# Altium PCB CC_V1.4.PcbDoc (part 4 of 8) (continued)
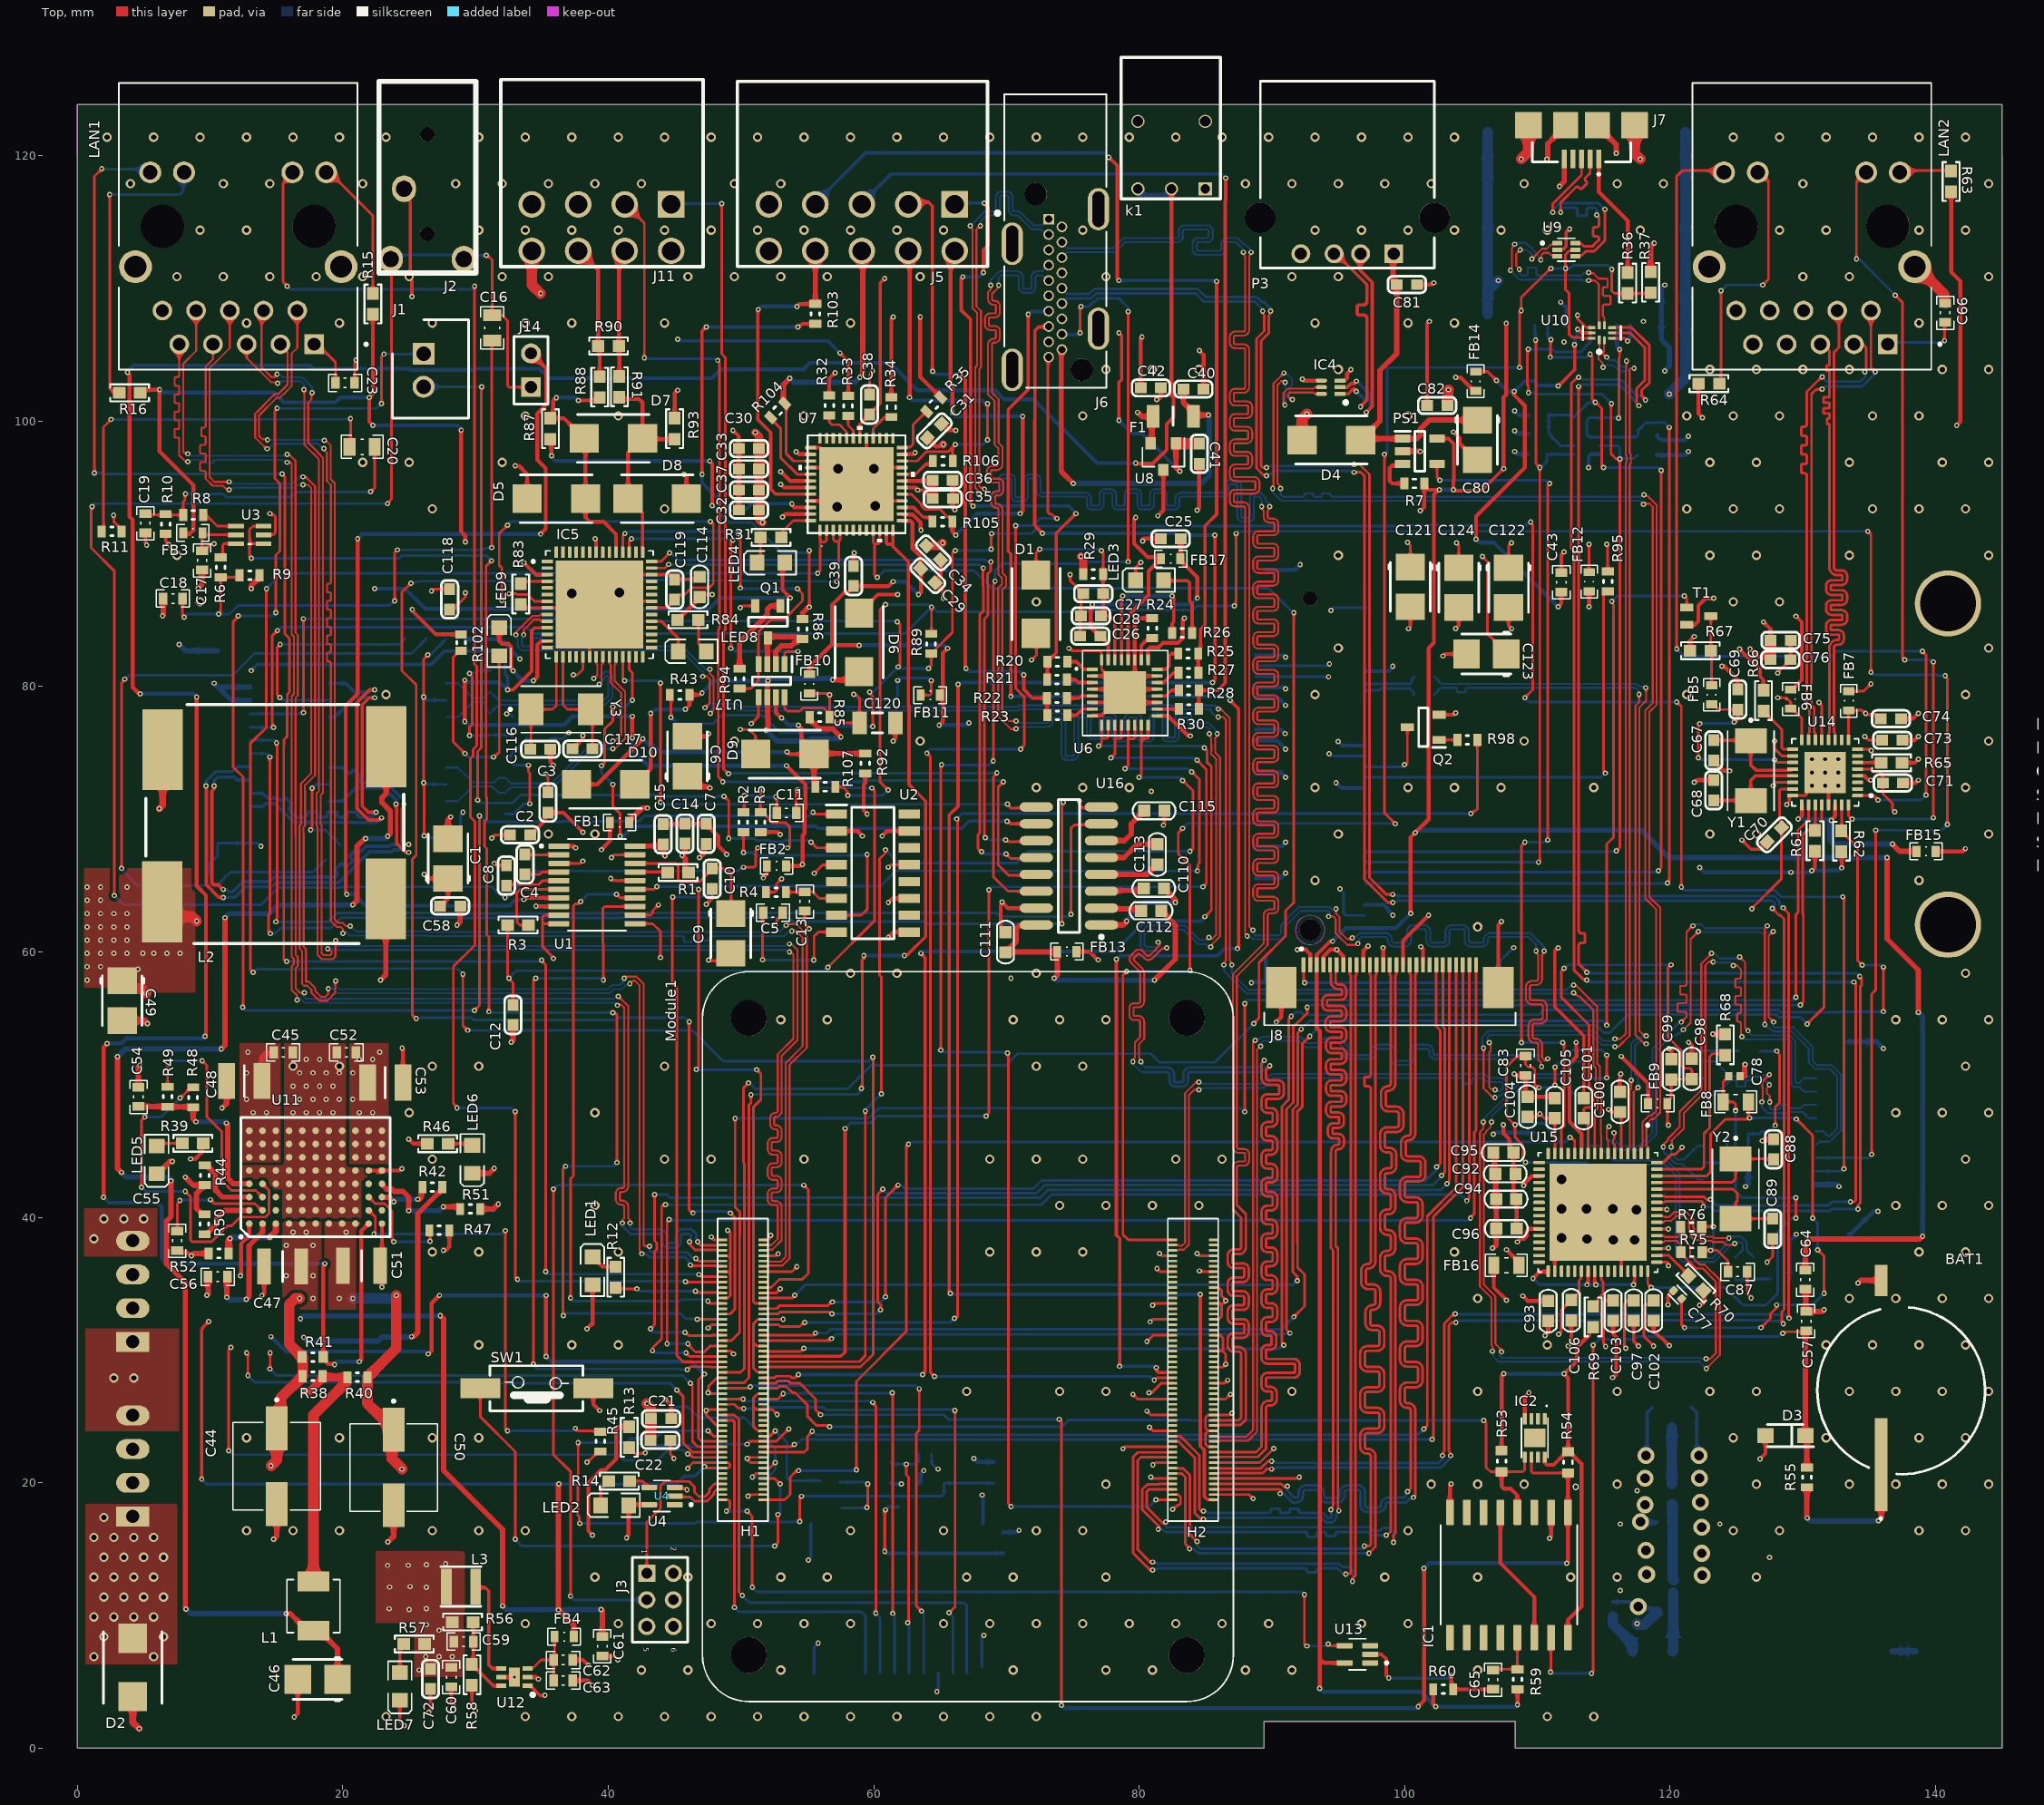
[diagram p0: Top view]
## Nets (pads, with @x,y where several pads share a name; then routed paths per layer and width w, separated by ;. In a path a pad name is that pad's centre, name@x,y a point inside that pad or via, vN(x,y) a via of type N, cw(c..) or ccw(c..) an arc to the next point about the centre after c; other vN are vias at no path point) (continued)
  Top w0.8: v1(42.9,25.975) 43.169,25.706 43.169,24.832 43.175,24.825 C21.1@43.213,24.825 43.213,23.25 C22.1@43.163,23.2 ; D4.2@92.275,98.575 92.275,100.181 v1(92.622,100.528) ; C82.2@103.207,101.177 103.246,101.177 103.252,101.184 103.252,102.312 v1(103.296,102.355) ; C80.2@105.233,96.815 105.482,97.064 C80.2@105.475,97.071 ; v1(108.777,119.748) 109.32,120.291 J7.S@109.32,122.298 ; J7.S@117.32,122.298 117.32,120.171 v1(117.743,119.748) ; C76.2@127.538,82.025 127.556,82.025 127.563,82.031 C75.2@127.563,83.475 ; LAN2.S1@138.422,111.76 140.662,109.52 140.662,108.935 C66.1@140.712,108.885
  Bottom w0.2: C107.1@9.979,65.875 9.979,66.679 10.557,67.257 J10.S2@10.557,68.199 13.593,68.199 v1(13.838,67.954) ; C90.1@28.854,68.6 28.854,70.329 v1(29.05,70.525) ; v1(32.336,77.949) 32.576,77.949 C108.1@32.8,77.725 ; C109.1@35.629,76.05 36.55,76.05 v1(37.018,76.517) ; U5.2@64.35,22.175 64.35,21.447 64.575,21.223 64.598,21.223 64.796,21.025 v1(64.85,21.025) ; v1@127.284,36.609 v1(127.3,36.625)
  Bottom w0.25: v1(55.063,14.16) 55.27,14.367 J4.P3@55.27,16.915 ; J4.P1@55.49,5.665 55.49,7.6 v1(55.808,7.918) ; C24.2@61.275,20 61.375,19.9 v1(62.078,19.9) ; v1(64.758,4.25) 64.87,4.362 J4.6@64.87,5.65 ; J4.P2@68.15,6.15 68.15,8.363 v1(68.288,8.5) ; v1(68.15,19.074) 68.23,18.994 J4.P4@68.23,16.915
  Bottom w0.254: L4.1@115.675,11.025 116.981,11.025 117.331,10.675 v3(117.606,10.675) 117.756,10.525 L5.1@118.877,10.525 ; v3(117.769,17.05) L6.1@119.025,17.05 118.919,16.944 v3@118.269,16.944 ; v3(118.16,22.05) 118.252,22.142 118.252,25.277 J13.2@118.65,25.675 ; J13.1@121.6,25.675 121.998,25.277 121.998,22.236 v3(122.184,22.05)
  Bottom w0.3: C91.1@29.204,83.55 31.919,83.55 32.621,82.848 32.621,82.789 v1(33.342,82.068) ; v1(88.447,57.686) 88.486,57.725 89.358,57.725 89.533,57.901 89.533,59.472 J12.M1@89.505,59.5 ; J12.9@88.775,65.55 90.633,65.55 v1(91.033,65.95) ; J12.15@88.775,67.95 90.708,67.95 v1(91.033,68.275) ; J12.21@88.775,73.55 90.633,73.55 v1(91.033,73.15) ; J12.27@88.775,75.95 90.358,75.95 v1(91.033,75.275) ; J12.29@88.775,76.75 90.701,76.75 v1(91,76.451) ; J12.35@88.775,79.15 90.458,79.15 v1(91.033,78.575) ; J12.37@88.775,79.95 90.906,79.95 v1(91.033,79.823) ; J12.43@88.775,82.35 90.875,82.35 v1(91.025,82.2) ; J12.M2@89.505,88.8 91.759,88.8 v1(92.13,89.171) ; v1(94.83,72.75) 95.23,72.35 J12.18@96.975,72.35 ; v1(94.987,75.85) 95.287,75.55 J12.26@96.975,75.55 ; J12.4@96.975,63.55 98.426,63.55 98.723,63.253 98.723,63.156 v1(99.105,62.773) ; J12.40@96.975,81.15 98.795,81.15 99.1,81.455 v1(99.1,81.537) ; v1(106.665,46.262) 106.778,46.375 C84.1@109.7,46.375 ; v1(108.28,97.709) 108.489,97.5 C126.1@109.25,97.5 ; v1(108.28,99.275) 108.505,99.05 C128.1@109.275,99.05 C128.1@109.287,99.062 ; v1(108.28,100.76) 108.59,100.45 R100.1@109.3,100.45 R100.1@109.287,100.438 ; v1(111.75,108.955) 112.175,108.53 SIM1.C4@112.175,107.208 ; v1(113.85,96.5) 113.85,97.324 114.026,97.5 U18.3@114.675,97.5 ; v1(116.8,106.04) 116.8,106.067 116.975,106.241 SIM1.C5@116.975,107.208 ; C127.1@119,97.425 121.156,97.425 121.37,97.639 v1(121.37,97.709) ; C125.1@119.025,98.95 119.025,98.825 119.2,98.65 119.325,98.65 119.41,98.565 121.093,98.565 v1(121.37,98.842) ; C86.1@128.988,35.342 128.988,38.201 v1(129.513,38.726) ; J9.S1@133.444,38.726 133.594,38.726 135.329,40.461 v1(135.658,40.461)
  Bottom w0.4: v1(7.678,83.175) 8.153,82.699 J10.S1@10.557,82.699 ; v1(10.3,80.245) 10.596,79.949 ; J10.2@13.007,78.949 11.596,78.949 10.596,79.949 ; J10.1@13.007,79.949 10.596,79.949 ; L5.1@119.025,10.275 L5.1@119.125,10.375 ; v1(119.581,103.782) 119.931,104.132 119.931,105.538 119.34,106.129 119.34,110.008 v1(119.581,110.25) ; v1(125.677,42.315) 125.875,42.514 C85.1@125.875,43.375 ; J9.2@130.994,42.476 132.559,42.476 v1(132.72,42.315) ; J9.S2@133.444,53.226 135.545,53.226 v1(136.06,52.711)
  Bottom w0.8: SIM1.1@106.253,108.087 SIM1.1@106.253,116.437 SIM1.1@106.253,121.765 ; 106.353,109.906 v1(107.04,110.592) ; v1(117.496,9.388) 117.583,9.301 118.051,9.301 L5.1@119.025,10.275 ; v1(119.931,102.035) 121.156,103.259 SIM1.1@121.156,108.087 ; SIM1.1@121.107,108.039 SIM1.1@121.156,108.087 ; SIM1.1@121.156,121.765 SIM1.1@121.156,116.437 SIM1.1@121.156,108.087
  other v1: 116.246,11.888 127.496,14.388 116.246,16.888 123.746,16.888 117.496,19.388 16.246,47.888 17.246,47.888 18.246,47.888 19.246,47.888 16.746,48.888 17.746,48.888 18.746,48.888 19.746,48.888 16.246,49.888 17.246,49.888 18.246,49.888 19.246,49.888 16.746,50.888 17.746,50.888 18.746,50.888 19.746,50.888 17.246,51.888 18.246,51.888 70.33,58.02 80.898,72.091 112.008,105.962 117.975,107.513
  other v2: 23.246,2.388 33.746,2.388 37.246,2.388 40.746,2.388 44.246,2.388 47.746,2.388 51.246,2.388 54.746,2.388 58.246,2.388 61.746,2.388 65.246,2.388 68.746,2.388 72.246,2.388 110.746,2.388 114.246,2.388 42.496,5.888 45.996,5.888 52.996,5.888 70.496,5.888 77.496,5.888 80.996,5.888 87.996,5.888 91.496,5.888 105.496,5.888 33.746,9.388 40.746,9.388 47.746,9.388 51.246,9.388 54.746,9.388 58.246,9.388 65.246,9.388 68.746,9.388 72.246,9.388 75.746,9.388 79.246,9.388 82.746,9.388 86.246,9.388 89.746,9.388 96.746,9.388 100.246,9.388 38.996,12.888 45.996,12.888 52.996,12.888 56.496,12.888 66.996,12.888 70.496,12.888 77.496,12.888 98.496,12.888 105.496,12.888 112.496,12.888 115.996,12.888 126.496,12.888 12.746,16.388 16.246,16.388 19.746,16.388 26.746,16.388 30.246,16.388 33.746,16.388 58.246,16.388 65.246,16.388 72.246,16.388 75.746,16.388 100.246,16.388 124.746,16.388 128.246,16.388 138.746,16.388 142.246,16.388 77.496,19.888 101.996,19.888 105.496,19.888 108.996,19.888 115.996,19.888 126.496,19.888 133.496,19.888 136.996,19.888 140.496,19.888 143.996,19.888 12.746,23.388 19.746,23.388 26.746,23.388 30.246,23.388 124.746,23.388 131.746,23.388 138.746,23.388 142.246,23.388 66.996,26.888 73.996,26.888 77.496,26.888 91.496,26.888 105.496,26.888 115.996,26.888 122.996,26.888 126.496,26.888 133.496,26.888 136.996,26.888 140.496,26.888 143.996,26.888 30.246,30.388 37.246,30.388 40.746,30.388 110.746,30.388 131.746,30.388 135.246,30.388 138.746,30.388 142.246,30.388 105.496,33.888 133.496,33.888 136.996,33.888 140.496,33.888 143.996,33.888 26.746,37.388 30.246,37.388 40.746,37.388 68.746,37.388 72.246,37.388 75.746,37.388 103.746,37.388 138.746,37.388 142.246,37.388 38.996,40.888 73.996,40.888 77.496,40.888 80.996,40.888 84.496,40.888 136.996,40.888 140.496,40.888 143.996,40.888 26.746,44.388 44.246,44.388 47.746,44.388 54.746,44.388 68.746,44.388 72.246,44.388 75.746,44.388 82.746,44.388 86.246,44.388 142.246,44.388 24.996,47.888 38.996,47.888 136.996,47.888 140.496,47.888 143.996,47.888 16.246,51.388 19.746,51.388 26.746,51.388 30.246,51.388 44.246,51.388 72.246,51.388 75.746,51.388 142.246,51.388 52.996,54.888 56.496,54.888 70.496,54.888 73.996,54.888 77.496,54.888 136.996,54.888 140.496,54.888 143.996,54.888 58.246,58.388 61.746,58.388 72.246,58.388 142.246,58.388 105.496,61.888 93.246,65.388 138.746,65.388 35.496,68.888 38.996,68.888 94.996,68.888 122.996,68.888 126.496,68.888 143.996,68.888 72.246,72.388 75.746,72.388 79.246,72.388 93.246,72.388 100.246,72.388 103.746,72.388 107.246,72.388 114.246,72.388 142.246,72.388 49.496,75.888 63.496,75.888 108.996,75.888 143.996,75.888 23.246,79.388 93.246,79.388 121.246,79.388 142.246,79.388 94.996,82.888 143.996,82.888 9.246,86.388 72.246,86.388 124.746,86.388 128.246,86.388 7.496,89.888 94.996,89.888 122.996,89.888 126.496,89.888 133.496,89.888 143.996,89.888 26.746,93.388 44.246,93.388 121.246,93.388 124.746,93.388 128.246,93.388 135.246,93.388 138.746,93.388 142.246,93.388 21.496,96.888 24.996,96.888 31.996,96.888 122.996,96.888 126.496,96.888 133.496,96.888 140.496,96.888 143.996,96.888 33.746,100.388 40.746,100.388 54.746,100.388 75.746,100.388 100.246,100.388 121.246,100.388 124.746,100.388 128.246,100.388 135.246,100.388 138.746,100.388 77.496,103.888 80.996,103.888 84.496,103.888 94.996,103.888 122.996,103.888 126.496,103.888 129.996,103.888 133.496,103.888 140.496,103.888 143.996,103.888 12.746,107.388 19.746,107.388 26.746,107.388 33.746,107.388 37.246,107.388 44.246,107.388 58.246,107.388 93.246,107.388 100.246,107.388 103.746,107.388 138.746,107.388 7.496,110.888 10.996,110.888 14.496,110.888 17.996,110.888 21.496,110.888 24.996,110.888 31.996,110.888 35.496,110.888 45.996,110.888 49.496,110.888 52.996,110.888 56.496,110.888 63.496,110.888 77.496,110.888 91.496,110.888 94.996,110.888 129.996,110.888 133.496,110.888 143.996,110.888 9.246,114.388 12.746,114.388 30.246,114.388 33.746,114.388 37.246,114.388 40.746,114.388 44.246,114.388 47.746,114.388 51.246,114.388 54.746,114.388 58.246,114.388 61.746,114.388 65.246,114.388 75.746,114.388 93.246,114.388 96.746,114.388 100.246,114.388 103.746,114.388 107.246,114.388 110.746,114.388 117.746,114.388 128.246,114.388 131.746,114.388 138.746,114.388 142.246,114.388 3.996,117.888 10.996,117.888 14.496,117.888 21.496,117.888 28.496,117.888 31.996,117.888 35.496,117.888 38.996,117.888 42.496,117.888 49.496,117.888 52.996,117.888 87.996,117.888 91.496,117.888 94.996,117.888 98.496,117.888 101.996,117.888 108.996,117.888 115.996,117.888 119.496,117.888 129.996,117.888 143.996,117.888 2.246,121.388 5.746,121.388 9.246,121.388 12.746,121.388 16.246,121.388 19.746,121.388 23.246,121.388 30.246,121.388 33.746,121.388 37.246,121.388 40.746,121.388 44.246,121.388 47.746,121.388 51.246,121.388 54.746,121.388 58.246,121.388 61.746,121.388 65.246,121.388 68.746,121.388 72.246,121.388 75.746,121.388 79.246,121.388 82.746,121.388 86.246,121.388 89.746,121.388 93.246,121.388 96.746,121.388 100.246,121.388 103.746,121.388 124.746,121.388 128.246,121.388 131.746,121.388 135.246,121.388 138.746,121.388 142.246,121.388
  other v3: 122.4,13.023 118.227,13.106 122.385,14.684 118.16,14.907 122.366,16.65 118.11,18.339 122.267,18.533 118.11,20.328 122.205,20.328 117.31,38.3 113.725,38.363 111.815,38.444 117.456,40.571 111.815,40.627 113.696,40.625 115.67,40.625 111.815,42.847 57.25,93.55 60.1,93.6 57.3,96.4 60,96.4
GPIO4: Module1.54 U6.9 U6.10 | length 91
  Top w0.2: Module1.54@51.664,27.92 52.546,27.92 52.656,28.029 53.694,28.029 53.804,27.92 54.082,27.92 v1@54.254,28.092 ; v1(76.95,75.525) 77.162,75.737 77.162,76.188 ; U6.9@77.162,77.091 77.162,76.188 ; U6.10@77.662,77.091 77.662,76.212 77.525,76.075 77.275,76.075 77.162,76.188 ; v1(84.9,75.375) 85.1,75.175 85.1,74.3 85.375,74.025 ; v1(84.95,62.65) 85.436,63.136 85.436,73.964
  Top w0.254: v1(63.55,59.882) 63.876,59.556 63.876,28.392 63.678,28.194 v1(63.678,28.143)
  Bottom w0.2: v1(76.95,75.525) 84.75,75.525 v1(84.9,75.375)
  Bottom w0.254: v1(54.331,28.143) v1(63.678,28.143) ; v1(63.55,59.882) 63.55,60.025 78.149,60.025 80.451,62.327 83.61,62.327 83.637,62.3 84.625,62.3 84.975,62.65 v1(84.95,62.65)
GPIO14: Module1.55 U7.11 U7.12 | length 80.7
  Top w0.2: Module1.55@48.584,27.52 50.211,27.52 50.597,27.906 50.597,38.359 50.599,38.361 50.599,48.469 50.749,48.619 v1(50.749,49.225) ; v1(59.08,49.708) 59.131,49.759 59.131,58.572
  Top w0.25: 59.131,58.572 59.131,59.379 59.253,59.501 v1(59.253,59.728) v1@59.228,59.703 ; U7.11@60.951,91.789 60.951,90.824 61.05,90.725 61.375,90.725 61.451,90.801 ; U7.12@61.451,91.789 61.451,90.801 ; v1(62.3,59.725) 62.475,59.725 63.9,61.15 63.9,71.369 62.654,72.615 62.654,78.532 62.6,78.586 62.6,89.4 61.451,90.549 61.451,90.801
  Bottom w0.2: v1(50.749,49.225) 50.749,49.276 58.776,49.276 59.08,49.581 v1(59.08,49.708)
  Bottom w0.25: v1(59.253,59.728) 59.256,59.725 v1(62.3,59.725)
GPIO15: Module1.51 U7.9 U7.10 | length 134.6
  Top w0.2: Module1.51@48.584,28.32 49.961,28.32 50.241,28.601 50.241,38.498 50.249,38.506 50.249,44.078 50.195,44.132 50.195,49.758 v1(50.571,50.134) ; U7.9@59.951,91.789 59.951,90.874 60.075,90.75 ; v1(60.275,88.217) 60.221,88.217 60.088,88.35 60.075,88.35 60.075,90.75 ; U7.10@60.451,91.789 60.451,90.851 60.35,90.75 60.075,90.75 ; v1(88.625,54.6) 89.025,55 89.025,59.2 91.025,61.2 91.025,63.1 91.65,63.725 v1(91.65,85.55) v1@91.65,85.575
  Bottom w0.2: v1(50.571,50.134) 50.624,50.134 51.075,49.682 58.039,49.682 58.395,50.038 59.807,51.45 69.95,51.45 70.825,52.325 80.875,52.325 81.525,51.675 85.7,51.675 v1(88.625,54.6) ; v1(60.275,88.217) 60.796,88.737 67.554,88.737 68.908,87.384 69.367,87.384 69.378,87.394 89.756,87.394 91.625,85.525 v1(91.65,85.55)
GPIO16: Module1.29 U7.3 U7.4 | length 118.1
  Top w0.2: v1(25.136,87.786) 24.459,87.109 24.459,81.191 25.529,80.121 25.529,79.422 ; v1(25.526,54.978) 25.497,54.978 25.225,55.25 25.225,66.967 25.529,67.271 25.529,72.515 ; 25.529,72.516 25.529,72.974 ; 25.529,78.963 25.529,79.422 ; 25.529,72.975 25.529,78.963 ; v1(46.1,54.725) 46.071,54.696 46.071,40.579 46.323,40.327 v1(46.377,40.327) ; Module1.29@48.591,32.71 49.17,32.71 49.541,33.082 49.541,38.788 49.549,38.796 49.549,39.966 49.202,40.313 v1(49.202,40.327) ; U7.3@56.951,91.789 56.951,91.074 57.1,90.925 57.35,90.925 ; v1(57.225,87.9) 57.2,87.875 57.35,88.025 57.35,90.925 ; U7.4@57.451,91.789 57.451,91.026 57.35,90.925
  Bottom w0.2: v1(25.136,87.786) 25.734,87.904 37.254,87.993 cw(c37.263,87.004) 37.3,87.992 39.796,87.9 39.883,87.9 40.637,88.046 cw(c40.825,87.075) 40.835,88.064 v1(57.225,87.9) ; v1(25.526,54.978) 25.526,55.001 25.575,55.05 29.692,55.05 29.868,54.874 40.581,54.874 40.758,55.05 45.775,55.05 v1(46.1,54.725) ; v1(46.377,40.327) 46.425,40.375 46.425,40.45 49.079,40.45 v1(49.202,40.327)
GPIO17: Module1.50 U7.1 U7.2 | length 159.4
  Top w0.2: v1(13.25,58.45) 13.025,58.675 13.025,75.7 14.229,76.904 14.229,78.041 14.243,78.056 14.243,87.368 v1(14.25,87.375) ; v1(29.05,58.325) 29.05,54.45 v1(29.4,54.1) ; Module1.50@51.664,28.72 59.009,28.72 59.944,29.655 v1@59.944,52.075 ; v1(55.775,88.525) 55.951,88.701 55.951,91.024 ; U7.1@55.951,91.789 55.951,91.024 ; U7.2@56.45,91.788 56.45,91.025 56.3,90.875 56.1,90.875 55.951,91.024
  Bottom w0.2: v1(13.25,58.45) 13.504,58.704 17.179,58.704 17.225,58.75 28.625,58.75 v1(29.05,58.325) ; v1(14.25,87.375) 15.4,88.525 v1(55.775,88.525) ; v1(29.4,54.1) 46.325,54.1 48.675,51.75 59.6,51.75 v1(59.925,52.075)
GPIO22: Module1.46 U6.11 U6.12 | length 88.1
  Top w0.2: v1(68.475,47.625) 68.675,47.825 v1(68.675,64.675) ; v1(77.875,74.625) 78.162,74.912 78.162,76.138 ; U6.11@78.162,77.091 78.162,76.138 ; U6.12@78.662,77.091 78.662,76.162 78.575,76.075 78.225,76.075 78.162,76.138 ; v1(84.35,74.45) 85.059,73.741 85.059,65.159 v1(84.8,64.9)
  Top w0.25: Module1.46@51.664,29.524 57.515,29.524 57.836,29.845 v1(57.836,46.685)
  Bottom w0.2: v1(57.836,46.685) 58.253,47.102 59.734,47.102 60.257,47.625 v1(68.475,47.625) ; v1(68.675,64.675) 68.9,64.9 v1(84.8,64.9) ; v1(77.875,74.625) 84.175,74.625 v1(84.35,74.45)
GPIO23: Module1.47 U6.13 U6.14 | length 96.5
  Top w0.2: v1(44.85,64.125) 44.821,64.096 44.821,57.629 45.161,57.289 45.161,29.587 45.278,29.47 45.512,29.237 45.628,29.12 45.638,29.11 Module1.47@48.591,29.11 ; v1(78.925,73.8) 79.162,74.037 79.162,76.138 ; U6.13@79.162,77.091 79.162,76.138 ; U6.14@79.662,77.091 79.662,76.137 79.575,76.05 79.25,76.05 79.162,76.138 ; v1(83.95,73.575) 84.525,73 84.525,66.7 84.417,66.592 84.417,66.138 v1(84.379,66.1)
  Bottom w0.2: v1(44.85,64.125) 46.983,64.125 47.137,64.279 47.704,64.279 48.375,64.95 60.5,64.95 61.65,66.1 v1(84.379,66.1) ; v1(78.925,73.8) 83.7,73.8 83.925,73.575 v1(83.95,73.575)
GPIO27: Module1.48 U6.15 U6.16 | length 85.2
  Top w0.2: Module1.48@51.664,29.12 58.914,29.12 59.36,29.566 v1(59.36,48.006) ; v1(60.575,49.3) 60.575,58.1 60.425,58.25 60.425,66.997 60.875,67.447 v1(60.875,67.7) ; v1(79.975,73.15) 80.162,73.337 80.162,76.075 ; U6.15@80.162,77.091 80.162,76.075 ; U6.16@80.662,77.091 80.662,76.137 80.6,76.075 80.162,76.075 ; v1(83.275,72.925) 84.05,72.15 84.05,67.775 83.85,67.575 v1(83.825,67.575)
  Bottom w0.2: v1(59.36,48.006) 59.36,48.085 v1(60.575,49.3) ; v1(60.875,67.7) 61.875,66.7 70.775,66.7 71.65,67.575 v1(83.825,67.575) ; v1(79.975,73.15) 83.05,73.15 v1(83.275,72.925)
GPIO_4G_PWEN: Module1.34 R98.2 | length 97.4
  Top w0.2: Module1.34@51.664,31.92 52.792,31.92 52.946,31.766 54.419,31.766 54.734,32.08 v1(54.788,32.08) ; v1(66.075,32.375) 66.075,32.3 66.329,32.554 66.329,69.946 v1(66.25,70.025) ; v1(104.984,70.416) 105.038,70.416 105.254,70.632 105.334,70.632 105.475,70.774 R98.2@105.475,75.975
  Bottom w0.2: v1(54.788,32.08) 65.78,32.08 v1(66.075,32.375) ; v1(66.25,70.025) 66.641,70.416 v1(104.984,70.416)
GSM_3V3: C121.1 C122.1 C123.1 C124.1 FB12.1 J12.2 J12.24 J12.39 J12.41 J12.52 R95.2 | length 41.5
  Top w0.2: v1@94.3,81.675 v1(94.325,81.7) ; v1(94.45,85.725) v1@94.55,85.825 ; v1(100.225,90.85) 100.425,90.65 C121.1@100.425,89 ; v1(103.909,90.825) 104.075,90.659 C124.1@104.075,88.95 ; v1(105.843,89.8) 106.23,89.413 106.23,83.97 107.65,82.55 C123.1@107.65,82.45 C123.1@108.061,82.861 ; C122.1@106.925,88.05 C122.1@107.825,88.95 ; v1(108.05,90.825) 107.825,90.6 107.825,89 C122.1@108.775,88.05 ; v1(113.875,90.725) 113.875,88.65 FB12.1@113.9,88.625 ; v1(115.225,90.725) 115.3,90.65 R95.2@115.3,88.675 R95.2@115.25,88.625
  Bottom w0.2: J12.39@88.775,80.75 94.23,80.75 v1(94.255,80.725) ; J12.41@88.875,81.55 94.175,81.55 ; v1(94.3,74.925) 94.475,74.75 J12.24@97.075,74.75 ; v1@94.3,81.675 v1(94.325,81.7) ; v1(94.45,85.725) 94.675,85.95 J12.52@97.075,85.95 ; v1(95.111,64.75) 95.384,64.478 95.384,63.024 95.375,63.015 95.375,62.95 95.575,62.75 J12.2@96.975,62.75
GSM_INTERNAL_ANT1: J13.3 R101.1 | length 4.2
  Bottom w0.8: R101.1@120.125,19.9 J13.3@120.125,24.15
HDMI_CEC: J6.13 Module1.151 | length 111.3
  Top w0.2: 81.9,28.31 Module1.151@82.511,28.31
  Top w0.25: v1(70.325,79.25) 70.325,89.984 70.118,90.19 70.118,100.863 71.633,102.378 v1(71.633,108.052) ; v1(78.279,59.459) 78.279,38.658 78.525,38.412 v1(78.525,28.775) ; v1(81.275,28.675) 81.275,28.475 81.44,28.31 81.9,28.31 ; v1(86.85,78.95) 87.482,78.318 87.482,60.382 87.4,60.3 v1(87.4,60.25)
  Bottom w0.25: v1(70.325,79.25) 86.55,79.25 v1(86.85,78.95) ; v1(71.633,108.052) 71.83,108.25 J6.13@73.125,108.25 ; v1(78.279,59.459) 78.319,59.459 78.561,59.7 85.9,59.7 86.45,60.25 v1(87.4,60.25) ; v1(78.525,28.775) 81.175,28.775 v1(81.275,28.675)
HDMI_HPD: J6.19 Module1.153 | length 105.7
  Top w0.2: v1@64,74.982 v1(64.003,74.979) 64.275,74.707 64.275,28.3 v1(64.575,28) ; v1(70.7,92.125) 70.7,79.85 71.325,79.225 71.325,75.575 71.025,75.275 v1(71.075,75.275) ; J6.19@73.125,104.785 73.125,93.125 73.275,92.975 73.425,92.975 73.746,92.654 v1(73.8,92.654) ; v1(81.127,27.748) 81.173,27.748 81.335,27.91 Module1.153@82.511,27.91
  Bottom w0.2: v1(64.003,74.979) 64.003,75.022 64,75.025 64.25,75.275 v1(71.075,75.275) ; v1(64.575,28) 80.821,28 81.073,27.748 v1(81.127,27.748) ; v1(70.7,92.125) 71.985,92.125 72.515,92.654 v1(73.8,92.654)
HDMI_SCL: J6.15 Module1.200 | length 140.9
  Top w0.25: v1(65.775,34.275) 65.675,34.375 65.675,69.781 65.671,69.785 65.671,70.296 66.35,70.975 v1(66.35,80.15) ; 72.128,100.028 72.128,92.172 72.232,92.068 72.232,92.014 v1(72.7,91.546) ; 72.152,100.028 72.152,106.835 72.412,107.095 J6.15@73.125,107.095 ; v1(84.6,34.2) 84.6,22.768 84.901,22.467 84.901,18.962 85.127,18.735 85.566,18.735 Module1.200@85.591,18.71 ; v1(85.525,80.3) 85.7,80.475 v1(85.7,91.4)
  Bottom w0.25: v1@65.825,34.2 v1(84.6,34.2) ; 66.55,80.3 66.554,80.296 85.521,80.296 v1(85.525,80.3) ; v1(72.7,91.546) 82.771,91.546 82.917,91.4 v1(85.7,91.4)
HDMI_SDA: J6.16 Module1.199 | length 129
  Top w0.2: v1(65.05,52.6) 65.05,74.025 65.1,74.075 v1(65.1,74.1) ; v1(69,74.375) 69,87.675 69.2,87.875 v1(69.137,87.938) ; v1(70.075,52.375) 70.135,52.315 70.135,18.409 v1(70.333,18.212) ; v1(75.53,106.642) 75.53,108.562 v1(75.603,108.635) ; v1(79.162,89.4) v1(79.162,108.25) ; v1(81.245,18.71) Module1.199@82.511,18.71
  Bottom w0.2: v1(65.05,52.6) 64.85,52.6 65,52.45 70,52.45 v1(70.075,52.375) ; v1@65.1,74.075 68.7,74.075 v1(69,74.375) ; v1(69.137,87.938) 69.137,88.737 69.641,89.241 75.827,89.241 75.986,89.4 v1(79.162,89.4) ; v1(70.333,18.212) 80.747,18.212 v1(81.245,18.71) ; J6.16@74.33,106.517 75.404,106.517 v1(75.53,106.642) ; v1(75.603,108.635) 76.169,108.635 76.418,108.884 76.521,108.884 76.867,109.229 78.495,109.229 79.162,108.563 v1(79.162,108.25)
HDMI_TX_0_N: J6.9 Module1.184 | length 181.8
  Top w0.15: v1(69.407,110.228) 69.407,110.079 68.908,109.58 68.908,109.436 68.908,109.211 ccw(c69.058,109.211) 69.058,109.061 69.104,109.061 cw(c69.104,108.663) 69.502,108.663 69.502,108.208 cw(c69.104,108.208) 69.104,107.811 68.776,107.811 ccw(c68.776,107.713) 68.679,107.713 68.679,107.258 ccw(c68.776,107.258) 68.776,107.161 69.104,107.161 cw(c69.104,106.764) 69.502,106.764 69.502,106.309 cw(c69.104,106.309) 69.104,105.911 69.058,105.911 ccw(c69.058,105.761) 68.908,105.761 68.908,102.139 69.402,101.646 69.402,100.365 69.402,98.348 69.7,98.05 69.7,97.939 69.7,96.764 cw(c69.25,96.764) 69.25,96.314 68.919,96.314 ccw(c68.919,96.217) 68.821,96.217 68.821,95.762 ccw(c68.919,95.762) 68.919,95.664 69.371,95.664 cw(c69.371,95.267) 69.768,95.267 69.768,94.812 cw(c69.371,94.812) 69.371,94.414 69.247,94.414 ccw(c69.247,94.317) 69.149,94.317 69.149,93.862 ccw(c69.247,93.862) 69.247,93.764 69.25,93.764 cw(c69.25,93.314) 69.7,93.314 69.7,88.547 69.966,88.281 69.966,87.594 69.677,87.304 69.677,78.745 69.677,78.458 69.677,77.873 70.15,77.4 v1(70.725,77.4) ; 79.399,59.154 79.667,58.885 79.98,58.573 cw(c79.747,58.342) 80.075,58.343 80.075,58.341 80.075,58.174 80.075,56.858 80.075,56.275 cw(c79.925,56.275) 79.925,56.125 79.573,56.125 ccw(c79.573,55.825) 79.273,55.825 79.273,55.175 ccw(c79.573,55.175) 79.573,54.875 79.925,54.875 cw(c79.925,54.725) 80.075,54.725 80.075,53.574 79.675,53.174 79.675,52.6 79.675,52.023 79.525,51.873 v1(79.525,51.725) ; 79.398,59.154 cw(c79.703,59.458) 79.399,59.763 79.718,60.082 79.726,60.082 cw(c79.978,59.734) 80.283,60.037 80.579,59.742 ccw(c80.686,59.847) 80.792,59.741 81.281,60.23 cw(c81.387,60.124) 81.282,60.231 81.44,60.389 81.538,60.487 81.538,60.619 v1(81.429,60.728) ; v1(85.375,60.375) 85.375,60.451 86.088,61.164 86.088,74.662 85.725,75.025 85.725,75.028 85.729,75.032 85.729,75.718 85.725,75.722 85.725,76.127 85.875,76.277 v1(85.875,76.425)
  Top w0.2: Module1.184@85.584,21.92 86.034,21.92 86.059,21.945 88.937,21.945 89.555,22.563 89.555,22.742 89.555,25.625 cw(c89.755,25.625) 89.755,25.825 89.899,25.825 ccw(c89.899,26.28) 90.354,26.28 90.354,26.77 ccw(c89.899,26.77) 89.899,27.225 89.66,27.225 cw(c89.66,27.33) 89.555,27.33 89.555,27.82 cw(c89.66,27.82) 89.66,27.925 91.64,27.925 ccw(c91.64,28.38) 92.095,28.38 92.095,28.87 ccw(c91.64,28.87) 91.64,29.325 89.66,29.325 cw(c89.66,29.43) 89.555,29.43 89.555,29.92 cw(c89.66,29.92) 89.66,30.025 89.866,30.025 ccw(c89.866,30.48) 90.321,30.48 90.321,30.97 ccw(c89.866,30.97) 89.866,31.425 89.66,31.425 cw(c89.66,31.53) 89.555,31.53 89.555,32.02 cw(c89.66,32.02) 89.66,32.125 89.941,32.125 ccw(c89.941,32.58) 90.396,32.58 90.396,33.07 ccw(c89.941,33.07) 89.941,33.525 89.66,33.525 cw(c89.66,33.63) 89.555,33.63 89.555,34.12 cw(c89.66,34.12) 89.66,34.225 89.941,34.225 ccw(c89.941,34.68) 90.396,34.68 90.396,35.17 ccw(c89.941,35.17) 89.941,35.625 89.66,35.625 cw(c89.66,35.73) 89.555,35.73 89.555,36.22 cw(c89.66,36.22) 89.66,36.325 89.941,36.325 ccw(c89.941,36.78) 90.396,36.78 90.396,37.27 ccw(c89.941,37.27) 89.941,37.725 89.66,37.725 cw(c89.66,37.83) 89.555,37.83 89.555,38.32 cw(c89.66,38.32) 89.66,38.425 89.941,38.425 ccw(c89.941,38.88) 90.396,38.88 90.396,39.37 ccw(c89.941,39.37) 89.941,39.825 89.66,39.825 cw(c89.66,39.93) 89.555,39.93 89.555,40.42 cw(c89.66,40.42) 89.66,40.525 89.941,40.525 ccw(c89.941,40.98) 90.396,40.98 90.396,41.47 ccw(c89.941,41.47) 89.941,41.925 89.66,41.925 cw(c89.66,42.03) 89.555,42.03 89.555,42.52 cw(c89.66,42.52) 89.66,42.625 89.941,42.625 ccw(c89.941,43.08) 90.396,43.08 90.396,43.57 ccw(c89.941,43.57) 89.941,44.025 89.66,44.025 cw(c89.66,44.13) 89.555,44.13 89.555,44.62 cw(c89.66,44.62) 89.66,44.725 89.941,44.725 ccw(c89.941,45.18) 90.396,45.18 90.396,45.67 ccw(c89.941,45.67) 89.941,46.125 89.66,46.125 cw(c89.66,46.23) 89.555,46.23 89.555,46.72 cw(c89.66,46.72) 89.66,46.825 89.941,46.825 ccw(c89.941,47.28) 90.396,47.28 90.396,47.77 ccw(c89.941,47.77) 89.941,48.225 89.66,48.225 cw(c89.66,48.33) 89.555,48.33 89.555,48.82 cw(c89.66,48.82) 89.66,48.925 90.445,48.925 ccw(c90.445,49.38) 90.9,49.38 90.9,49.87 ccw(c90.445,49.87) 90.445,50.325 89.755,50.325 cw(c89.755,50.525) 89.555,50.525 89.555,50.8 89.555,51.125 v1(89.84,51.41)
  Bottom w0.15: v1(69.407,110.228) 69.407,110.803 69.592,110.988 69.632,110.988 ; 69.632,110.988 70.78,110.988 cw(c70.78,110.838) 70.93,110.838 70.93,110.062 ccw(c71.327,110.062) 71.327,109.665 71.782,109.665 ccw(c71.782,110.062) 72.18,110.062 72.18,110.838 cw(c72.33,110.838) 72.33,110.988 72.555,110.988 72.697,110.988 J6.9@73.125,110.56 ; v1(70.725,77.4) 70.873,77.4 71.023,77.25 71.65,77.25 71.712,77.25 71.999,77.25 73.05,77.25 ccw(c73.05,77.4) 73.2,77.4 73.2,77.578 cw(c73.598,77.578) 73.598,77.975 74.053,77.975 cw(c74.053,77.578) 74.45,77.578 74.45,74.864 ccw(c74.548,74.864) 74.548,74.766 75.003,74.766 ccw(c75.003,74.864) 75.1,74.864 75.1,77.578 cw(c75.498,77.578) 75.498,77.975 75.953,77.975 cw(c75.953,77.578) 76.35,77.578 76.35,76.451 ccw(c76.448,76.451) 76.448,76.354 76.903,76.354 ccw(c76.903,76.451) 77,76.451 77,77.578 cw(c77.398,77.578) 77.398,77.975 77.853,77.975 cw(c77.853,77.578) 78.25,77.578 78.25,76.247 ccw(c78.348,76.247) 78.348,76.15 78.803,76.15 ccw(c78.803,76.247) 78.9,76.247 78.9,77.578 cw(c79.298,77.578) 79.298,77.975 79.753,77.975 cw(c79.753,77.578) 80.15,77.578 80.15,76.247 ccw(c80.248,76.247) 80.248,76.15 80.703,76.15 ccw(c80.703,76.247) 80.8,76.247 80.8,77.578 cw(c81.198,77.578) 81.198,77.975 81.653,77.975 cw(c81.653,77.578) 82.05,77.578 82.05,76.247 ccw(c82.148,76.247) 82.148,76.15 82.603,76.15 ccw(c82.603,76.247) 82.7,76.247 82.7,77.578 cw(c83.098,77.578) 83.098,77.975 83.553,77.975 cw(c83.553,77.578) 83.95,77.578 83.95,77.4 ccw(c84.1,77.4) 84.1,77.25 85.224,77.25 85.275,77.199 85.875,76.599 v1(85.875,76.425) ; v1(79.525,51.725) 79.525,51.577 80.151,50.951 80.325,50.951 ; v1(81.429,60.728) 81.385,60.684 81.385,60.471 81.298,60.383 80.542,60.383 80.4,60.525 80.4,61.325 80.75,61.675 81.089,61.675 83.34,61.675 84.426,60.589 84.795,60.589 85.02,60.589 85.234,60.375 v1(85.375,60.375)
  Bottom w0.2: 80.325,50.951 80.75,50.951 82.075,50.951 cw(c82.075,50.751) 82.275,50.751 82.275,50.303 ccw(c82.73,50.303) 82.73,49.848 83.22,49.848 ccw(c83.22,50.303) 83.675,50.303 83.675,50.751 cw(c83.875,50.751) 83.875,50.951 84.574,50.951 84.674,50.951 88.83,50.951 89.204,50.951 89.533,51.28 89.71,51.28 v1(89.84,51.41)